# Altium PCB DIOT_Kasli_Adapter.PcbDoc (part 9 of 10)
Units mm, origin at the board's own origin, x right, y up, seen from the top; angles counter-clockwise.
Board outline 220.04 x 100 mm, 12 copper layers (Top Layer, L2GND, L3, L4, L5GND, L6, L7, L8GND, L9, L10, L11GND, Bottom Layer), stack 1.691 mm thick; 201 components, 445 nets, 1582 pads, 691 vias.
Unrouted connection lines stored in the file: 4.
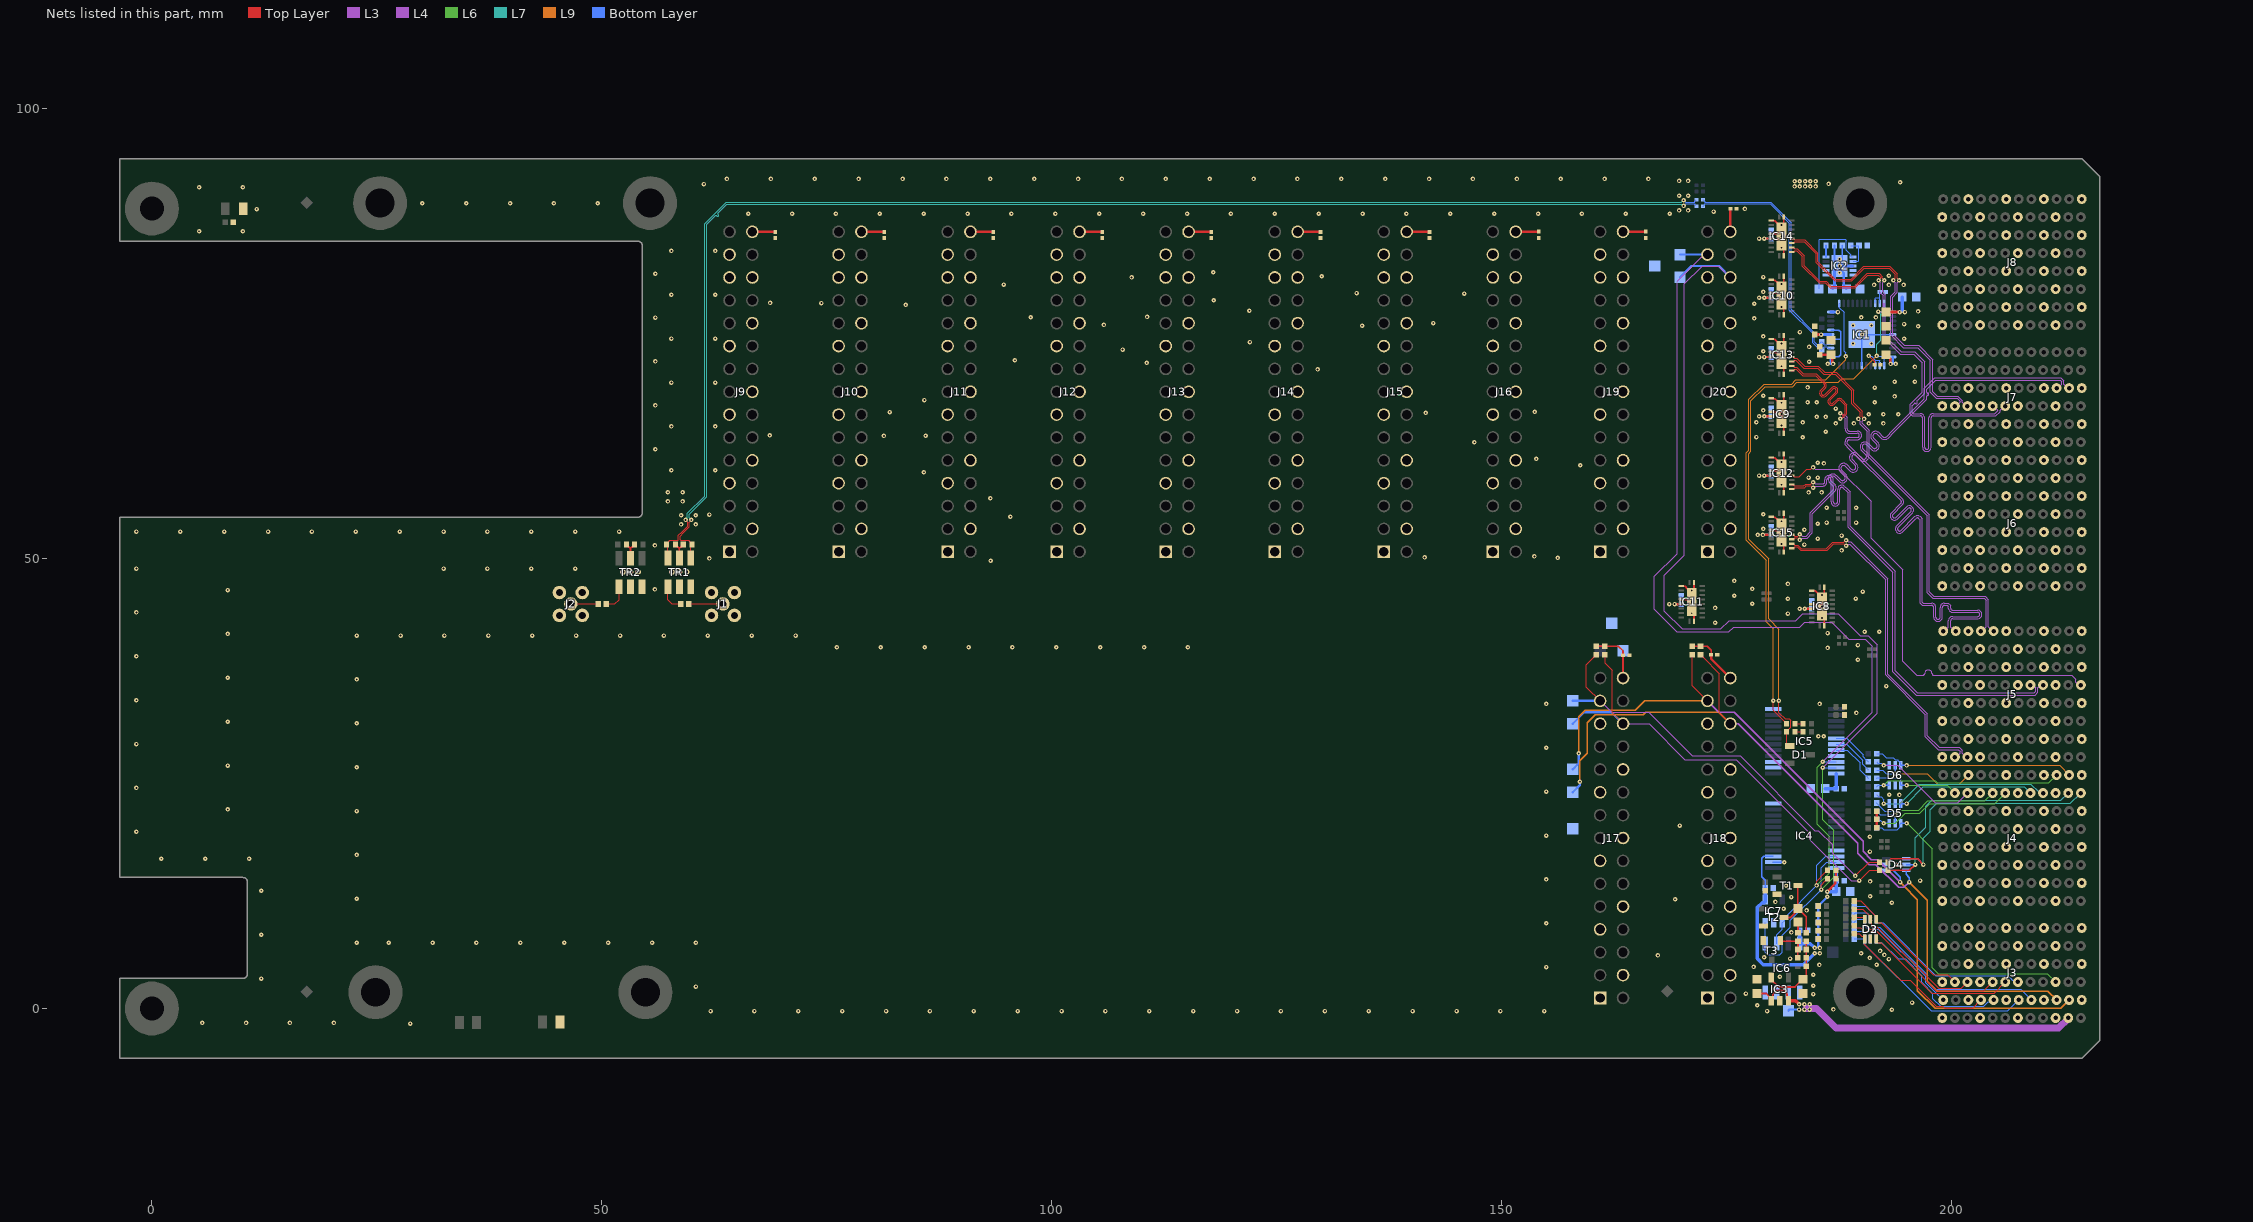
[diagram p19: the nets of this part, all layers, seen from the top]

## Via types
v1: diameter 0.5, hole 0.2, Top Layer to Bottom Layer, tented both sides, 649 vias
v2: diameter 0.5, hole 0.2, Top Layer to Bottom Layer, 32 vias
v3: diameter 0.65, hole 0.3, Top Layer to Bottom Layer, tented both sides, 6 vias
v4: diameter 0.8, hole 0.5, Top Layer to Bottom Layer, tented both sides, 4 vias

## Nets (pads, with @x,y where several pads share a name; then routed paths per layer and width w, separated by ;. In a path a pad name is that pad's centre, name@x,y a point inside that pad or via, vN(x,y) a via of type N, cw(c..) or ccw(c..) an arc to the next point about the centre after c; other vN are vias at no path point) (continued)
EXT11b.LVDS_0_P: IC12.15 J5.A5 | length 51.9
  Top Layer w0.089: IC12.15@182.251,59.225 182.426,59.225 182.507,59.144 182.507,59.122 182.559,59.07 183.046,59.07 183.898,59.921 184.361,59.921 184.579,60.14 v1(184.611,60.14)
  L3 w0.089: v1(184.611,60.14) 184.676,60.14 184.869,59.947 187.454,59.947 191.053,56.348 191.053,52.274 194.558,48.769 194.558,38.589 196.111,37.036 196.668,37.036 196.833,37.036 ccw(c196.833,37.207) 197.004,37.207 cw(c197.417,37.207) 197.83,37.207 ccw(c198.001,37.207) 198.001,37.036 198.628,37.036 213.372,37.036 213.789,36.618 213.789,36.263 214.103,35.95 J5.A5@214.369,35.95
EXT11b.LVDS_1_N: IC12.13 J5.E5 | length 52.1
  Top Layer w0.089: IC12.13@182.251,58.225 182.426,58.225 182.507,58.144 182.507,58.122 182.559,58.07 183.591,58.07 183.8,58.278 184.361,58.278 184.579,58.497 v1(184.611,58.497)
  L3 w0.089: v1(184.611,58.497) 184.676,58.497 184.869,58.304 185.119,58.304 185.67,58.304 ccw(c185.67,58.539) 185.905,58.539 185.905,58.759 cw(c186.382,58.759) 186.382,59.236 cw(c186.382,58.759) 186.858,58.759 186.858,56.317 ccw(c187.093,56.317) 187.093,56.082 ccw(c187.093,56.317) 187.328,56.317 187.328,57.675 cw(c187.804,57.675) 188.141,58.012 188.325,57.828 188.74,57.412 188.74,53.581 193.722,48.598 193.722,37.546 196.193,35.076 209.18,35.076 209.348,35.244 209.348,35.637 209.035,35.95 J5.E5@208.769,35.95
EXT11b.LVDS_1_P: IC12.12 J5.D5 | length 52.5
  Top Layer w0.089: IC12.12@182.251,57.725 182.426,57.725 182.507,57.805 182.507,57.827 182.559,57.879 183.67,57.879 183.878,58.088 184.361,58.088 184.579,57.87 v1(184.611,57.87)
  L3 w0.089: v1(184.611,57.87) 184.676,57.87 184.869,58.063 185.119,58.063 185.67,58.063 ccw(c185.67,58.539) 186.147,58.539 186.147,58.759 cw(c186.382,58.759) 186.382,58.994 cw(c186.382,58.759) 186.616,58.759 186.616,56.317 ccw(c187.093,56.317) 187.093,55.841 ccw(c187.093,56.317) 187.569,56.317 187.569,57.675 cw(c187.804,57.675) 187.97,57.841 188.325,57.486 188.499,57.312 188.499,53.481 193.481,48.498 193.481,37.446 196.093,34.835 209.28,34.835 209.589,35.144 209.589,35.637 209.903,35.95 J5.D5@210.169,35.95
EXT11b.LVDS_2_N: IC15.12 J5.K1 | length 37.5
  Top Layer w0.089: IC15.12@182.251,51.139 182.426,51.139 182.507,51.219 182.507,51.241 182.559,51.293 182.845,51.293 183.235,50.903 186.161,50.903 186.9,51.642 188.028,51.642 188.247,51.423 v1(188.279,51.423)
  L3 w0.089: v1(188.279,51.423) 188.343,51.423 188.536,51.616 188.698,51.616 192.673,47.641 192.673,37.074 197.078,32.669 197.078,30.223 198.521,28.78 200.752,28.78 200.948,28.583 200.948,28.389 200.509,27.95 J5.K1@200.369,27.95
EXT11b.LVDS_2_P: IC15.13 J5.J1 | length 37.9
  Top Layer w0.089: IC15.13@182.251,51.639 182.426,51.639 182.507,51.558 182.507,51.536 182.559,51.484 182.924,51.484 183.314,51.093 186.082,51.093 186.821,51.832 188.028,51.832 188.247,52.05 v1(188.279,52.05)
  L3 w0.089: v1(188.279,52.05) 188.343,52.05 188.536,51.858 188.798,51.858 192.915,47.741 192.915,37.174 197.319,32.769 197.319,30.323 198.621,29.021 200.852,29.021 201.189,28.683 201.189,28.389 201.629,27.95 J5.J1@201.769,27.95
EXT11b.LVDS_3_N: IC13.14 J5.I8 | length 44.9
  Top Layer w0.089: IC13.14@182.251,71.897 182.426,71.897 182.507,71.977 182.507,71.999 182.559,72.051 182.709,72.051 183.586,71.174 185.131,71.174 185.803,70.502 187.079,70.502 188.927,68.654 188.927,67.22 189.87,66.278 189.87,65.781 189.652,65.562 v1(189.652,65.53)
  L3 w0.089: v1(189.652,65.53) 189.652,65.466 189.844,65.273 189.844,64.934 190.616,64.163 190.616,61.429 197.281,54.764 197.281,46.218 197.929,45.569 203.63,45.569 203.848,45.351 203.848,42.425 203.373,41.95 J5.I8@203.269,41.95
EXT11b.LVDS_3_P: IC13.15 J5.H8 | length 45.2
  Top Layer w0.089: IC13.15@182.251,72.397 182.426,72.397 182.507,72.316 182.507,72.294 182.559,72.242 182.788,72.242 183.665,71.364 185.21,71.364 185.881,70.692 187.158,70.692 189.118,68.733 189.118,67.299 190.06,66.357 190.06,65.781 190.279,65.562 v1(190.279,65.53)
  L3 w0.089: v1(190.279,65.53) 190.279,65.466 190.086,65.273 190.086,65.034 190.857,64.263 190.857,61.529 197.522,54.864 197.522,46.318 198.029,45.811 203.73,45.811 204.089,45.451 204.089,42.425 204.564,41.95 J5.H8@204.669,41.95
EXT11b.LVDS_4_N: IC13.13 J5.L8 | length 66.6
  Top Layer w0.089: IC13.13@182.251,71.397 182.426,71.397 182.507,71.316 182.507,71.294 182.559,71.242 182.821,71.242 183.539,70.524 184.977,70.524 185.393,70.107 185.959,69.542 cw(c185.658,69.241) 185.959,68.94 185.581,68.563 ; 185.581,68.229 ccw(c185.747,68.396) 185.913,68.23 186.674,68.991 186.677,68.991 cw(c186.947,68.662) 187.248,68.963 cw(c186.947,68.662) 187.248,68.361 186.515,67.629 ccw(c186.681,67.462) 186.514,67.296 ; 185.58,68.23 cw(c185.747,68.396) 185.581,68.562 ; 186.515,67.296 ccw(c186.681,67.462) 186.847,67.296 187.225,67.674 cw(c187.526,67.373) 187.827,67.674 188.322,67.178 188.378,67.123 188.378,66.099 188.032,65.754 187.88,65.754 187.661,65.536 v1(187.63,65.536)
  L3 w0.089: v1(187.63,65.536) 187.694,65.536 187.887,65.728 188.034,65.728 188.162,65.6 188.162,65.15 188.162,64.41 ccw(c188.639,64.41) 188.639,63.934 189.533,63.934 cw(c189.533,63.699) 189.768,63.699 cw(c189.533,63.699) 189.533,63.464 188.639,63.464 ccw(c188.639,62.988) 188.162,62.988 188.162,62.672 188.545,62.289 193.718,57.116 194.369,56.466 cw(c194.202,56.299) 194.369,56.133 193.291,55.056 193.291,55.051 ccw(c193.663,54.754) 194,54.417 195.144,55.562 ; 195.145,55.562 cw(c195.311,55.396) 195.477,55.562 cw(c195.311,55.396) 195.477,55.23 193.848,53.601 193.848,53.597 ccw(c194.22,53.299) 194.556,52.963 196.048,54.454 cw(c196.214,54.288) 196.38,54.454 196.497,54.337 196.526,54.308 196.526,45.037 196.762,44.801 197.191,44.801 197.783,44.801 cw(c197.783,44.566) 198.018,44.566 198.018,43.488 ccw(c198.494,43.488) 198.97,43.488 198.97,44.566 cw(c199.205,44.566) 199.205,44.801 199.37,44.801 199.543,44.801 199.648,44.696 199.648,44.675 199.648,44.51 ccw(c200.124,44.51) 200.124,44.033 202.902,44.033 cw(c202.902,43.798) 202.902,43.563 200.124,43.563 ccw(c200.124,43.087) 199.648,43.087 199.648,42.389 199.209,41.95 J5.L8@199.069,41.95
EXT11b.LVDS_4_P: IC13.12 J5.K8 | length 66.4
  Top Layer w0.089: IC13.12@182.251,70.897 182.426,70.897 182.507,70.977 182.507,70.999 182.559,71.051 182.742,71.051 183.46,70.333 184.898,70.333 185.258,69.973 185.824,69.407 cw(c185.658,69.241) 185.824,69.075 185.418,68.669 185.418,68.666 ccw(c185.747,68.396) 186.048,68.095 186.78,68.828 ; 186.781,68.828 cw(c186.947,68.662) 187.113,68.828 cw(c186.947,68.662) 187.113,68.496 186.352,67.735 186.352,67.732 ccw(c186.681,67.462) 186.982,67.161 187.36,67.539 cw(c187.526,67.373) 187.692,67.539 188.187,67.044 188.187,66.178 187.953,65.944 187.88,65.944 187.661,66.163 v1(187.63,66.163)
  L3 w0.089: v1(187.63,66.163) 187.694,66.163 187.887,65.97 188.134,65.97 188.404,65.7 188.404,65.15 188.404,64.41 ccw(c188.639,64.41) 188.639,64.175 189.533,64.175 cw(c189.533,63.699) 190.01,63.699 cw(c189.533,63.699) 189.533,63.223 188.639,63.223 ccw(c188.639,62.988) 188.404,62.988 188.404,62.772 188.886,62.289 193.889,57.286 194.539,56.636 cw(c194.202,56.299) 194.539,55.963 193.497,54.921 ; 193.497,54.92 ccw(c193.663,54.754) 193.496,54.588 ccw(c193.663,54.754) 193.829,54.588 195.01,55.768 195.014,55.768 cw(c195.311,55.396) 195.648,55.733 cw(c195.311,55.396) 195.648,55.06 194.054,53.466 ; 194.053,53.134 cw(c194.22,53.299) 194.054,53.465 ; 194.054,53.133 ccw(c194.22,53.299) 194.386,53.133 195.877,54.625 cw(c196.214,54.288) 196.551,54.625 196.668,54.508 196.767,54.408 196.767,45.137 196.862,45.042 197.191,45.042 197.783,45.042 cw(c197.783,44.566) 198.259,44.566 198.259,43.488 ccw(c198.494,43.488) 198.729,43.488 198.729,44.566 cw(c199.205,44.566) 199.205,45.042 199.37,45.042 199.643,45.042 199.889,44.796 199.889,44.675 199.889,44.51 ccw(c200.124,44.51) 200.124,44.275 202.902,44.275 cw(c202.902,43.798) 202.902,43.322 200.124,43.322 ccw(c200.124,43.087) 199.889,43.087 199.889,42.389 200.329,41.95 J5.K8@200.469,41.95
EXT11b.LVDS_5_N: IC14.13 J7.H3 | length 50
  Top Layer w0.089: IC14.13@182.251,84.569 182.426,84.569 182.507,84.488 182.507,84.466 182.559,84.414 182.868,84.414 183.623,83.659 183.623,82.573 185.354,80.841 186.055,80.841 186.601,80.295 189.223,80.295 190.627,81.7 191.938,81.7 192.305,81.333 192.305,81.18 192.523,80.962 v1(192.523,80.93)
  L3 w0.089: v1(192.523,80.93) 192.523,80.865 192.331,80.672 192.331,79.668 192.652,79.346 192.652,74.71 194.386,72.976 195.897,72.976 197.008,71.865 197.008,68.398 196.283,67.673 196.151,67.54 ccw(c196.227,67.464) 196.151,67.388 196.153,67.386 cw(c196.077,67.309) 196.153,67.233 cw(c196.077,67.309) 196,67.233 195.998,67.235 ccw(c195.922,67.159) 195.845,67.235 195.661,67.051 195.646,67.036 195.646,66.198 195.66,66.185 195.737,66.108 196.536,66.108 cw(c196.536,65.632) 197.012,65.632 197.012,62.384 ccw(c197.247,62.384) 197.247,62.149 ccw(c197.247,62.384) 197.482,62.384 197.482,65.632 cw(c197.959,65.632) 197.959,66.108 198.682,66.108 204.819,66.108 205.148,66.437 205.148,66.511 204.709,66.95 J7.H3@204.569,66.95
EXT11b.LVDS_5_P: IC14.12 J7.G3 | length 50.2
  Top Layer w0.089: IC14.12@182.251,84.069 182.426,84.069 182.507,84.149 182.507,84.171 182.559,84.223 182.789,84.223 183.432,83.58 183.432,82.494 185.276,80.651 185.976,80.651 186.522,80.105 189.302,80.105 190.706,81.509 191.859,81.509 192.115,81.254 192.115,81.18 191.896,80.962 v1(191.896,80.93)
  L3 w0.089: v1(191.896,80.93) 191.896,80.865 192.089,80.672 192.089,79.568 192.411,79.246 192.411,74.61 194.286,72.735 195.797,72.735 196.766,71.766 196.766,68.497 195.405,67.136 195.405,66.098 195.637,65.867 195.66,65.867 196.536,65.867 cw(c196.536,65.632) 196.771,65.632 196.771,62.384 ccw(c197.247,62.384) 197.247,61.907 ccw(c197.247,62.384) 197.724,62.384 197.724,65.632 cw(c197.959,65.632) 197.959,65.867 198.682,65.867 204.919,65.867 205.389,66.337 205.389,66.511 205.829,66.95 J7.G3@205.969,66.95
EXT11b.LVDS_6_N: IC14.14 J7.K3 | length 35.6
  Top Layer w0.089: IC14.14@182.251,85.069 182.426,85.069 182.507,85.149 182.507,85.171 182.559,85.223 183.623,85.223 184.963,83.883 184.963,82.901 186.994,80.87 188.907,80.87 190.312,82.275 193.066,82.275 193.758,81.584 193.758,81.18 193.539,80.962 v1(193.539,80.93)
  L3 w0.089: v1(193.539,80.93) 193.539,80.865 193.732,80.672 193.732,79.674 193.224,79.166 193.224,74.874 194.643,73.456 196.23,73.456 197.659,72.026 197.659,68.461 198.324,67.796 200.615,67.796 200.948,67.463 200.948,67.389 200.509,66.95 J7.K3@200.369,66.95
EXT11b.LVDS_6_P: IC14.15 J7.J3 | length 36
  Top Layer w0.089: IC14.15@182.251,85.569 182.426,85.569 182.507,85.488 182.507,85.466 182.559,85.414 183.702,85.414 185.154,83.962 185.154,82.98 187.073,81.061 188.828,81.061 190.233,82.466 193.145,82.466 193.948,81.663 193.948,81.18 194.166,80.962 v1(194.166,80.93)
  L3 w0.089: v1(194.166,80.93) 194.166,80.865 193.974,80.672 193.974,79.575 193.466,79.067 193.466,74.974 194.743,73.697 196.33,73.697 197.9,72.126 197.9,68.561 198.424,68.037 200.715,68.037 201.189,67.563 201.189,67.389 201.629,66.95 J7.J3@201.769,66.95
EXT11b.LVDS_7_N: IC15.14 J7.C4 | length 52.3
  Top Layer w0.089: IC15.14@182.251,52.139 182.426,52.139 182.507,52.219 182.507,52.241 182.559,52.293 182.883,52.293 183.101,52.075 v1(183.133,52.075)
  L4 w0.089: v1(183.133,52.075) 183.198,52.075 183.391,52.268 183.946,52.268 184.539,52.86 184.539,54.997 186.898,57.356 187.014,57.472 ccw(c186.633,57.854) 187.05,58.197 187.05,58.2 186.599,58.651 cw(c186.811,58.861) 186.6,59.072 cw(c186.811,58.861) 187.023,59.071 ; 187.023,59.071 187.504,58.59 ccw(c187.887,58.971) 188.268,58.589 ccw(c187.887,58.971) 188.304,59.314 188.304,59.317 187.785,59.836 cw(c187.997,60.046) 187.786,60.257 cw(c187.997,60.046) 188.208,60.257 188.69,59.775 ; 188.69,59.775 ccw(c189.072,60.156) 189.454,59.775 ccw(c189.072,60.156) 189.489,60.499 189.489,60.503 188.97,61.022 cw(c189.182,61.232) 188.971,61.443 cw(c189.182,61.232) 189.394,61.442 189.875,60.961 ; 189.875,60.96 ccw(c190.257,61.342) 190.639,60.96 ccw(c190.257,61.342) 190.674,61.684 190.674,61.688 190.155,62.207 cw(c190.367,62.417) 190.156,62.628 cw(c190.367,62.417) 190.579,62.628 ; 190.579,62.627 191.06,62.146 ccw(c191.443,62.527) 191.824,62.145 ccw(c191.443,62.527) 191.86,62.87 191.86,62.873 191.341,63.392 cw(c191.553,63.602) 191.342,63.814 cw(c191.553,63.603) 191.764,63.813 192.178,63.399 ccw(c192.56,63.781) 192.941,63.399 193.618,64.076 197.231,67.689 197.231,67.793 197.231,68.053 cw(c197.339,68.053) 197.339,68.161 197.379,68.161 ccw(c197.379,68.269) 197.379,68.377 197.339,68.377 cw(c197.339,68.485) 197.231,68.485 197.231,68.656 197.231,68.806 198.256,69.831 212.061,69.831 212.248,69.644 212.248,69.563 212.248,69.389 211.809,68.95 J7.C4@211.669,68.95
EXT11b.LVDS_7_P: IC15.15 J7.B4 | length 52.3
  Top Layer w0.089: IC15.15@182.251,52.639 182.426,52.639 182.507,52.558 182.507,52.536 182.559,52.484 182.883,52.484 183.101,52.702 v1(183.133,52.702)
  L4 w0.089: v1(183.133,52.702) 183.198,52.702 183.391,52.509 183.846,52.509 184.297,52.96 184.297,55.097 186.727,57.526 186.844,57.643 ccw(c186.633,57.854) 186.843,58.066 186.43,58.479 cw(c186.811,58.861) 186.43,59.243 cw(c186.811,58.861) 187.154,59.278 187.157,59.278 187.676,58.759 ccw(c187.887,58.971) 188.098,58.76 ccw(c187.887,58.971) 188.097,59.183 187.616,59.664 cw(c187.997,60.046) 187.615,60.428 cw(c187.997,60.046) 188.339,60.463 188.343,60.463 188.862,59.944 ccw(c189.072,60.156) 189.283,59.945 ccw(c189.072,60.156) 189.282,60.368 188.801,60.849 ; 188.801,60.85 cw(c189.182,61.232) 188.8,61.613 cw(c189.182,61.232) 189.525,61.649 189.528,61.649 190.047,61.13 ccw(c190.257,61.342) 190.468,61.131 ccw(c190.257,61.342) 190.468,61.553 189.986,62.035 cw(c190.367,62.417) 189.986,62.799 cw(c190.367,62.417) 190.71,62.834 190.714,62.834 191.233,62.315 ccw(c191.443,62.527) 191.654,62.316 ccw(c191.443,62.527) 191.653,62.739 ; 191.653,62.739 191.172,63.22 cw(c191.553,63.602) 191.171,63.984 cw(c191.553,63.603) 191.895,64.02 191.899,64.02 192.349,63.57 ccw(c192.56,63.781) 192.771,63.57 193.448,64.247 196.99,67.789 196.99,68.906 198.156,70.072 212.161,70.072 212.489,69.744 212.489,69.463 212.489,69.389 212.929,68.95 J7.B4@213.069,68.95
F_IO0: IC5.20 R43.1 | length 5.4
  Bottom Layer w0.102: IC5.20@187.166,28.72 188.417,28.72 189.844,27.293 189.844,26.481 190.481,25.843 190.501,25.843 190.741,25.604 R43.1@190.741,25.584
F_IO1: IC5.19 R42.1 | length 5
  Bottom Layer w0.102: IC5.19@187.166,29.37 187.169,29.366 188.335,29.366 190.129,27.572 190.129,27.129 190.741,26.518 R42.1@190.741,26.498
F_RST: IC5.18 R41.1 | length 4.8
  Bottom Layer w0.102: IC5.18@187.166,30.02 188.366,30.02 190.164,28.221 190.164,27.989 190.481,27.672 190.501,27.672 190.741,27.432 R41.1@190.741,27.412
GND: C5.1 C6.1 C7.1 C8.1 C9.1 C10.1 C11.2 C12.1 C13.1 C15.2 C16.1 C18.2 C19.1 C20.1 C21.1 C22.1 C23.1 C24.1 C25.1 C26.1 C27.1 C28.1 C29.1 C30.1 C31.1 C32.1 C35.1 C36.1 C37.1 C38.1 C39.1 C40.1 C41.1 C42.1 C43.1 C44.1 C45.1 C46.1 C47.1 C48.1 C49.2 D2.2 D3.2 D4.2 D5.2 D6.2 IC1.6 IC1.22 IC1.39 IC1.45 IC2.8 IC2.11 IC3.2 IC4.2 IC4.12 IC4.21 IC5.2 IC5.12 IC6.1 IC6.2 IC6.3 IC6.4 IC7.2 IC8.2 IC8.5 IC8.11 IC8.20 IC8.21 IC9.2 IC9.5 IC9.11 IC9.20 IC9.21 IC10.2 IC10.5 IC10.11 IC10.20 IC10.21 IC11.2 IC11.5 IC11.11 IC11.20 IC11.21 IC12.2 IC12.5 IC12.11 IC12.20 IC12.21 IC13.2 IC13.5 IC13.11 IC13.20 IC13.21 IC14.2 IC14.5 IC14.11 IC14.20 IC14.21 IC15.2 IC15.5 IC15.11 IC15.20 IC15.21 J1.2 J2.2 J3.A2 J3.A4 J3.A6 J3.C1 J3.C5 J3.D2 J3.D4 J3.D6 J3.F1 J3.F5 J3.G2 J3.G4 J3.G6 J3.I1 J3.I3 J3.I5 J3.J2 J3.J4 J3.J6 J3.L1 J3.L3 J3.L5 J4.A2 J4.A4 J4.A6 J4.A8 J4.C1 J4.C3 J4.C5 J4.C7 J4.D2 J4.D4 J4.D6 J4.D8 J4.F1 J4.F3 J4.F5 J4.F7 J4.G2 J4.G4 J4.G6 J4.G8 J4.I1 J4.I3 J4.I5 J4.I7 J4.J2 J4.J4 J4.J6 J4.L1 J4.L3 J4.L5 J4.L7 J5.A2 J5.A4 J5.A6 J5.A8 J5.C1 J5.C3 J5.C5 J5.C7 J5.D2 J5.D4 J5.D6 J5.D8 J5.F1 J5.F3 J5.F5 J5.F7 J5.G2 J5.G4 J5.G6 J5.G8 J5.I1 J5.I3 J5.I5 J5.I7 J5.J2 J5.J4 J5.J6 J5.J8 J5.L1 J5.L3 J5.L5 J5.L7 J6.A2 J6.A4 J6.A6 J6.A8 J6.C1 J6.C3 J6.C5 J6.C7 J6.D2 J6.D4 J6.D6 J6.D8 J6.F1 J6.F3 J6.F5 J6.F7 J6.G2 J6.G4 J6.G6 J6.G8 J6.I1 J6.I3 J6.I5 J6.I7 J6.J2 J6.J4 J6.J6 J6.J8 J6.L1 J6.L3 J6.L5 J6.L7 J7.A2 J7.A4 J7.C1 J7.C3 J7.D2 J7.D4 J7.F1 J7.F3 J7.G2 J7.G4 J7.I1 J7.I3 J7.J2 J7.J4 J7.L1 J7.L3 J8.A2 J8.A4 J8.A6 J8.A8 J8.C1 J8.C3 J8.C5 J8.C7 J8.D2 J8.D4 J8.D6 J8.D8 J8.F1 J8.F3 J8.F5 J8.F7 J8.G2 J8.G4 J8.G6 J8.G8 J8.I1 J8.I3 J8.I5 J8.I7 J8.J2 J8.J4 J8.J6 J8.J8 J8.L1 J8.L3 J8.L5 J8.L7 J9.1 J9.4 J9.7 J9.10 J9.13 J9.16 J9.19 J9.22 J9.25 J10.1 J10.4 J10.7 J10.10 J10.13 J10.16 J10.19 J10.22 J10.25 J11.1 J11.4 J11.7 J11.10 J11.13 J11.16 J11.19 J11.22 J11.25 J12.1 J12.4 J12.7 J12.10 J12.13 J12.16 J12.19 J12.22 J12.25 J13.1 J13.4 J13.7 J13.10 J13.13 J13.16 J13.19 J13.22 J13.25 J14.1 J14.4 J14.7 J14.10 J14.13 J14.16 J14.19 J14.22 J14.25 J15.1 J15.4 J15.7 J15.10 J15.13 J15.16 J15.19 J15.22 J15.25 J16.1 J16.4 J16.7 J16.10 J16.13 J16.16 J16.19 J16.22 J16.25 J17.1 J17.4 J17.7 J17.10 J17.13 J17.16 J17.19 J17.22 J17.25 J18.1 J18.4 J18.7 J18.10 J18.13 J18.16 J18.19 J18.22 J18.25 J19.1 J19.4 J19.7 J19.10 J19.13 J19.16 J19.19 J19.22 J19.25 J20.1 J20.4 J20.7 J20.10 J20.13 J20.16 J20.19 J20.22 J20.25 R3.1 R8.1 R9.2 R10.1 R60.2 R61.2 R100.1 R112.1 R113.1 T1.2 T2.2 T3.2 TP10.1 TP12.1 TP13.1 TR1.1 TR1.2 TR1.5 TR2.1 TR2.2 TR2.5 | length 71.9
  Top Layer w0.152: IC11.2@169.977,46.942 169.999,46.92 170.399,46.92 170.653,46.666 170.992,46.328 171.127,46.192 v2(171.127,45.192) ; IC15.2@179.951,54.639 179.973,54.617 180.373,54.617 180.627,54.362 180.966,54.024 181.101,53.888 v2(181.101,52.889) ; IC12.2@179.951,61.225 179.973,61.203 180.373,61.203 180.627,60.948 IC12.21@180.966,60.61 ; IC9.2@179.951,67.811 179.973,67.789 180.373,67.789 180.627,67.534 180.966,67.196 181.101,67.06 v2(181.101,66.061) ; IC13.2@179.951,74.397 179.973,74.375 180.373,74.375 180.627,74.12 180.966,73.782 181.101,73.646 v2(181.101,72.647) ; IC10.2@179.951,80.983 179.973,80.961 180.373,80.961 180.627,80.706 180.966,80.368 181.101,80.232 v2(181.101,79.233) ; IC14.2@179.951,87.569 179.973,87.547 180.373,87.547 180.627,87.292 180.966,86.954 181.101,86.818 v2(181.101,85.819) ; IC12.21@180.966,60.609 181.101,60.474 v2(181.101,59.475) ; IC8.2@184.447,46.434 184.469,46.412 184.869,46.412 185.123,46.158 185.462,45.82 185.597,45.684 v2(185.597,44.684)
  Top Layer w0.203: C18.2@52.745,51.572 52.745,51.517 52.929,51.334 52.984,51.334 53.177,51.141 ; TR2.5@53.177,50.048 53.177,51.141 ; C16.1@53.609,51.572 53.609,51.517 53.426,51.334 53.371,51.334 53.177,51.141 ; C15.2@58.18,51.573 58.18,51.518 58.363,51.334 58.418,51.334 58.612,51.141 ; TR1.5@58.612,50.049 58.612,51.141 ; C13.1@59.043,51.573 59.043,51.518 58.86,51.334 58.805,51.334 58.612,51.141 ; IC11.5@169.977,45.442 170.877,45.442 v2(171.127,45.192) ; v2(171.127,43.922) 171.199,43.922 171.377,43.744 IC11.11@171.377,43.042 ; v2(171.127,46.462) 171.199,46.462 171.377,46.641 IC11.20@171.377,47.342 ; IC15.5@179.951,53.139 180.851,53.139 v2(181.101,52.889) ; IC12.5@179.951,59.725 180.851,59.725 v2(181.101,59.475) ; IC9.5@179.951,66.311 180.851,66.311 v2(181.101,66.061) ; IC13.5@179.951,72.897 180.851,72.897 v2(181.101,72.647) ; IC10.5@179.951,79.483 180.851,79.483 v2(181.101,79.233) ; IC14.5@179.951,86.069 180.851,86.069 v2(181.101,85.819) ; v2(181.101,51.619) 181.173,51.619 181.351,51.44 IC15.11@181.351,50.739 ; v2(181.101,54.159) 181.173,54.159 181.351,54.337 IC15.20@181.351,55.039 ; v2(181.101,58.205) 181.173,58.205 181.351,58.026 IC12.11@181.351,57.325 ; v2(181.101,60.745) 181.173,60.745 181.351,60.923 IC12.20@181.351,61.625 ; v2(181.101,64.791) 181.173,64.791 181.351,64.612 IC9.11@181.351,63.911 ; v2(181.101,67.331) 181.173,67.331 181.351,67.509 IC9.20@181.351,68.211 ; v2(181.101,71.377) 181.173,71.377 181.351,71.198 IC13.11@181.351,70.497 ; v2(181.101,73.917) 181.173,73.917 181.351,74.095 IC13.20@181.351,74.797 ; v2(181.101,77.963) 181.173,77.963 181.351,77.784 IC10.11@181.351,77.083 ; v2(181.101,80.503) 181.173,80.503 181.351,80.681 IC10.20@181.351,81.383 ; v2(181.101,84.549) 181.173,84.549 181.351,84.37 IC14.11@181.351,83.669 ; v2(181.101,87.089) 181.173,87.089 181.351,87.267 IC14.20@181.351,87.969 ; IC8.5@184.447,44.934 185.347,44.934 v2(185.597,44.684) ; v2(185.597,43.414) 185.669,43.414 185.847,43.236 IC8.11@185.847,42.534 ; v2(185.597,45.954) 185.669,45.954 185.847,46.133 IC8.20@185.847,46.834
  Bottom Layer w0.152: IC1.6@190.025,71.456 190.025,74.86 v2(190.071,74.906) IC1.39@193.475,74.906
  Bottom Layer w0.203: IC4.2@180.166,16.264 v1(181.397,16.264) ; R10.1@186.987,84.795 186.987,83.085 v2(187.547,82.525) 187.858,82.836 R9.2@187.858,84.795
  Bottom Layer w0.305: IC1.22@186.575,77.406 v1(187.369,77.406) ; C12.1@186.785,79.985 186.987,80.187 186.987,81.965 v2(187.547,82.525) ; C6.1@188.309,79.985 188.025,80.27 188.025,81.683 187.547,82.16 v2(187.547,82.525) ; IC2.8@189.047,82.525 v2(187.547,82.525)